# KiCad board AnalogFNN.kicad_pcb (continued)
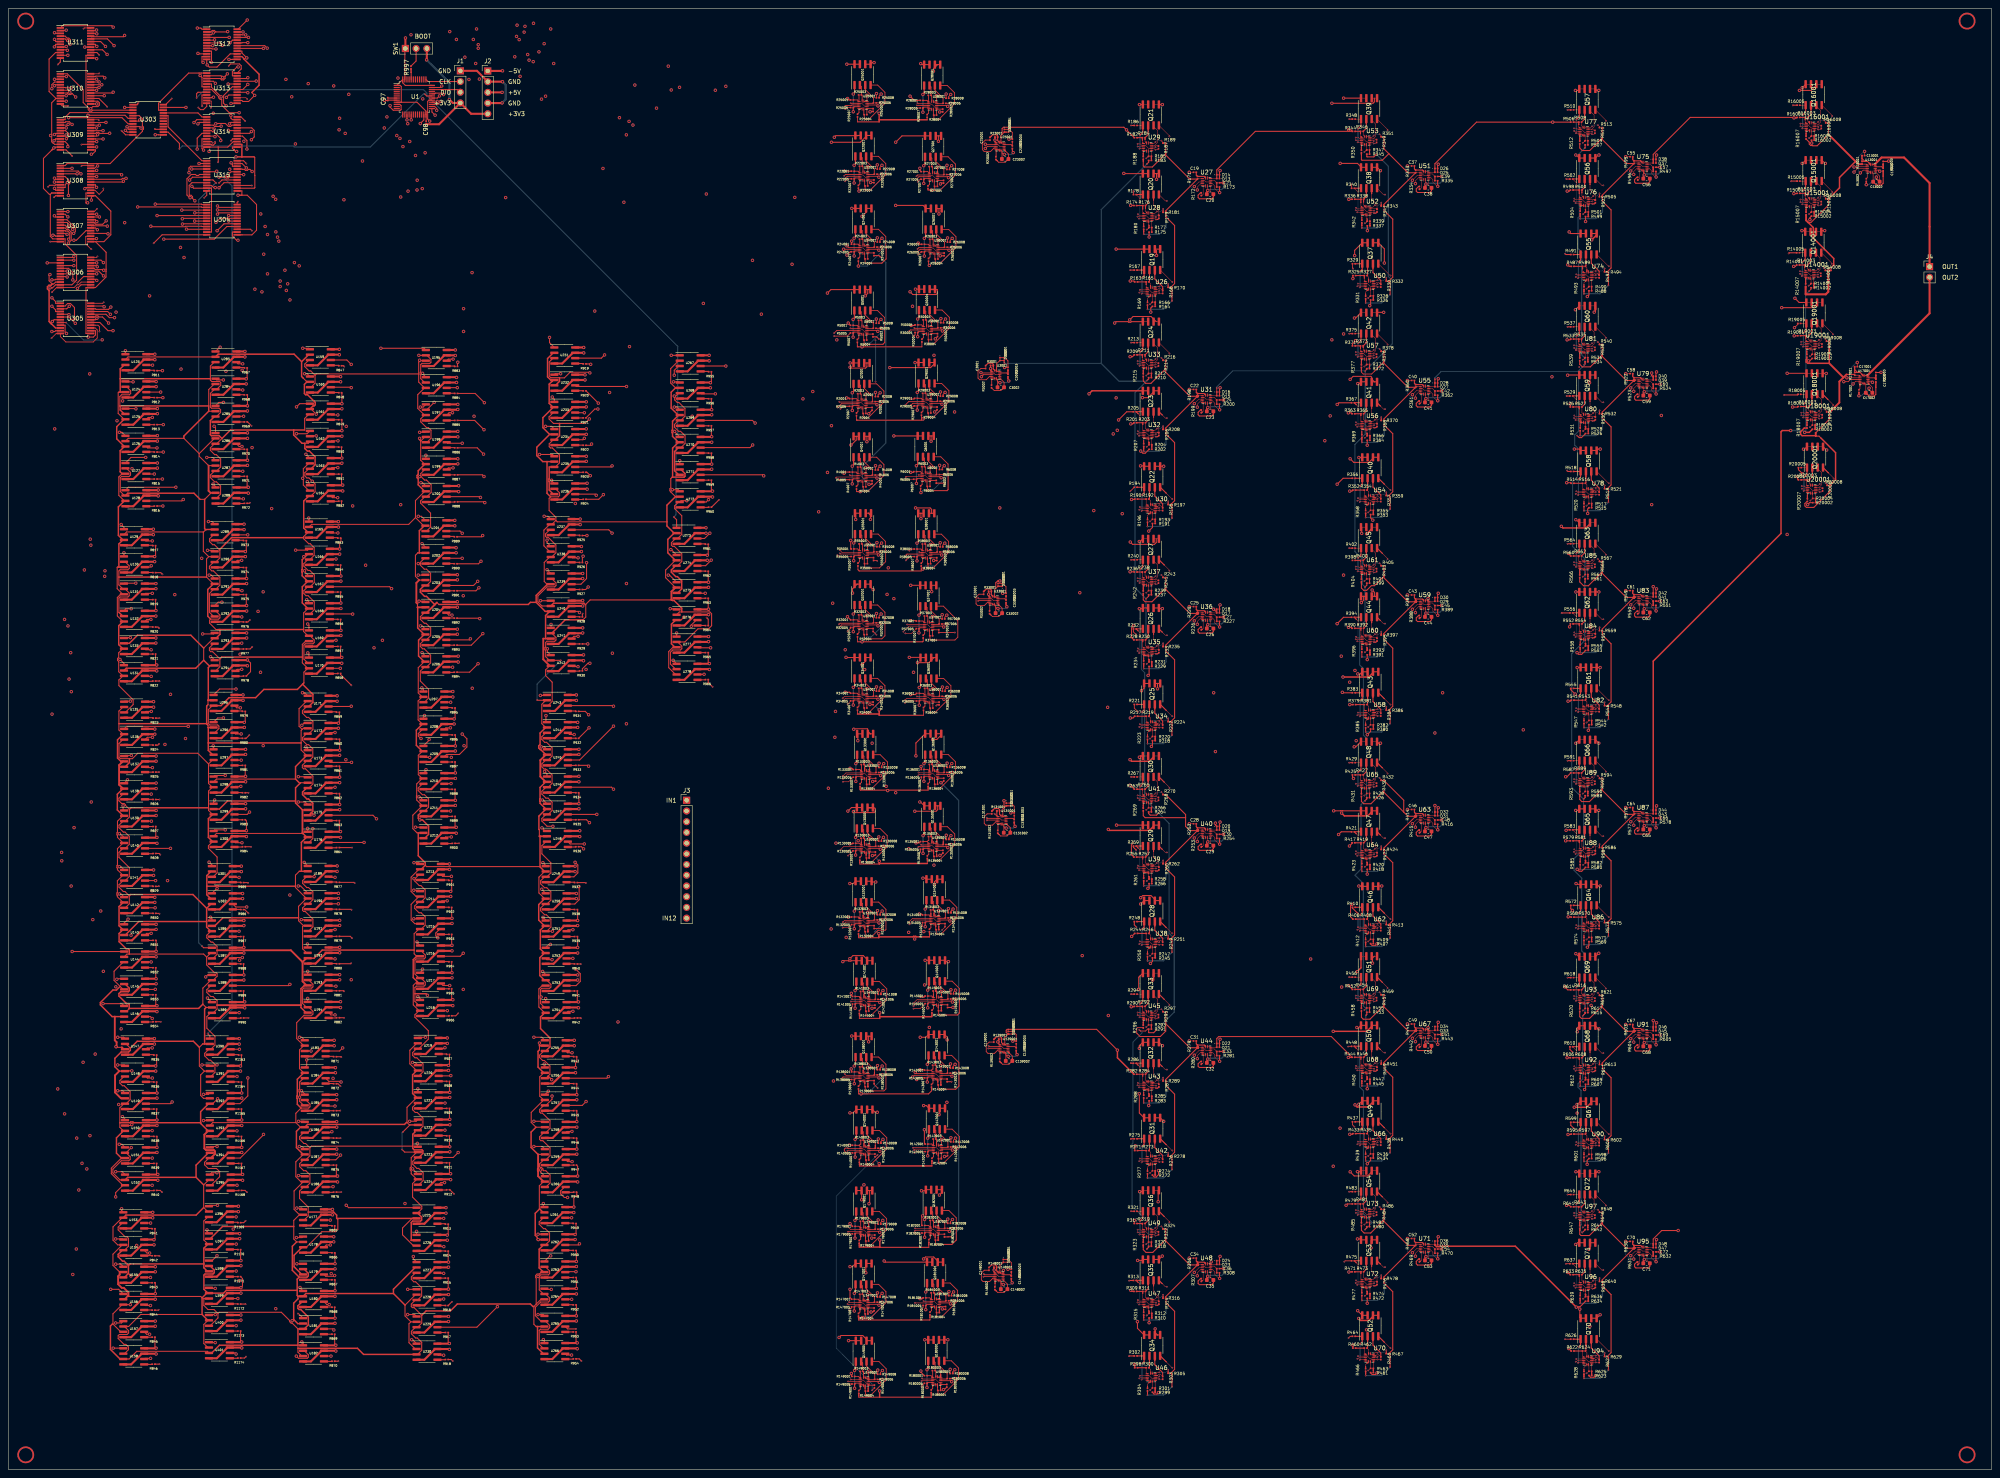
[diagram p0: board, top side]
## Nets (continued)
Net-(U48B--): R307.1 U48.5 U48.6
Net-(U48C--): C35.1 R307.2 U48.8
Net-(U48D-+): C36.2 R308.1 U48.11
Net-(U49A--): R317.2 R319.1 U49.1
Net-(U49B--): R323.1 U49.5 U49.6
Net-(U49C--): R318.2 R320.1 U49.8
Net-(U49D--): R324.1 U49.12 U49.13
Net-(U50A--): R325.2 R327.1 U50.1
Net-(U50B--): R331.1 U50.5 U50.6
Net-(U50C--): R326.2 R328.1 U50.8
Net-(U50D--): R332.1 U50.12 U50.13
Net-(U51B-+): C37.2 U51.4
Net-(U51B--): R334.1 U51.5 U51.6
Net-(U51C--): C38.1 R334.2 U51.8
Net-(U51D-+): C39.2 R335.1 U51.11
Net-(U52A--): R336.2 R338.1 U52.1
Net-(U52B--): R342.1 U52.5 U52.6
Net-(U52C--): R337.2 R339.1 U52.8
Net-(U52D--): R343.1 U52.12 U52.13
Net-(U53A--): R344.2 R346.1 U53.1
Net-(U53B--): R350.1 U53.5 U53.6
Net-(U53C--): R345.2 R347.1 U53.8
Net-(U53D--): R351.1 U53.12 U53.13
Net-(U54A--): R352.2 R354.1 U54.1
Net-(U54B--): R358.1 U54.5 U54.6
Net-(U54C--): R353.2 R355.1 U54.8
Net-(U54D--): R359.1 U54.12 U54.13
Net-(U55B-+): C40.2 U55.4
Net-(U55B--): R361.1 U55.5 U55.6
Net-(U55C--): C41.1 R361.2 U55.8
Net-(U55D-+): C42.2 R362.1 U55.11
Net-(U56A--): R363.2 R365.1 U56.1
Net-(U56B--): R369.1 U56.5 U56.6
Net-(U56C--): R364.2 R366.1 U56.8
Net-(U56D--): R370.1 U56.12 U56.13
Net-(U57A--): R371.2 R373.1 U57.1
Net-(U57B--): R377.1 U57.5 U57.6
Net-(U57C--): R372.2 R374.1 U57.8
Net-(U57D--): R378.1 U57.12 U57.13
Net-(U58A--): R379.2 R381.1 U58.1
Net-(U58B--): R385.1 U58.5 U58.6
Net-(U58C--): R380.2 R382.1 U58.8
Net-(U58D--): R386.1 U58.12 U58.13
Net-(U59B-+): C43.2 U59.4
Net-(U59B--): R388.1 U59.5 U59.6
Net-(U59C--): C44.1 R388.2 U59.8
Net-(U59D-+): C45.2 R389.1 U59.11
Net-(U60A--): R390.2 R392.1 U60.1
Net-(U60B--): R396.1 U60.5 U60.6
Net-(U60C--): R391.2 R393.1 U60.8
Net-(U60D--): R397.1 U60.12 U60.13
Net-(U61A--): R398.2 R400.1 U61.1
Net-(U61B--): R404.1 U61.5 U61.6
Net-(U61C--): R399.2 R401.1 U61.8
Net-(U61D--): R405.1 U61.12 U61.13
Net-(U62A--): R406.2 R408.1 U62.1
Net-(U62B--): R412.1 U62.5 U62.6
Net-(U62C--): R407.2 R409.1 U62.8
Net-(U62D--): R413.1 U62.12 U62.13
Net-(U63B-+): C46.2 U63.4
Net-(U63B--): R415.1 U63.5 U63.6
Net-(U63C--): C47.1 R415.2 U63.8
Net-(U63D-+): C48.2 R416.1 U63.11
Net-(U64A--): R417.2 R419.1 U64.1
Net-(U64B--): R423.1 U64.5 U64.6
Net-(U64C--): R418.2 R420.1 U64.8
Net-(U64D--): R424.1 U64.12 U64.13
Net-(U65A--): R425.2 R427.1 U65.1
Net-(U65B--): R431.1 U65.5 U65.6
Net-(U65C--): R426.2 R428.1 U65.8
Net-(U65D--): R432.1 U65.12 U65.13
Net-(U66A--): R433.2 R435.1 U66.1
Net-(U66B--): R439.1 U66.5 U66.6
Net-(U66C--): R434.2 R436.1 U66.8
Net-(U66D--): R440.1 U66.12 U66.13
Net-(U67B-+): C49.2 U67.4
Net-(U67B--): R442.1 U67.5 U67.6
Net-(U67C--): C50.1 R442.2 U67.8
Net-(U67D-+): C51.2 R443.1 U67.11
Net-(U68A--): R444.2 R446.1 U68.1
Net-(U68B--): R450.1 U68.5 U68.6
Net-(U68C--): R445.2 R447.1 U68.8
Net-(U68D--): R451.1 U68.12 U68.13
Net-(U69A--): R452.2 R454.1 U69.1
Net-(U69B--): R458.1 U69.5 U69.6
Net-(U69C--): R453.2 R455.1 U69.8
Net-(U69D--): R459.1 U69.12 U69.13
Net-(U70A--): R460.2 R462.1 U70.1
Net-(U70B--): R466.1 U70.5 U70.6
Net-(U70C--): R461.2 R463.1 U70.8
Net-(U70D--): R467.1 U70.12 U70.13
Net-(U71B-+): C52.2 U71.4
Net-(U71B--): R469.1 U71.5 U71.6
Net-(U71C--): C53.1 R469.2 U71.8
Net-(U71D-+): C54.2 R470.1 U71.11
Net-(U72A--): R471.2 R473.1 U72.1
Net-(U72B--): R477.1 U72.5 U72.6
Net-(U72C--): R472.2 R474.1 U72.8
Net-(U72D--): R478.1 U72.12 U72.13
Net-(U73A--): R479.2 R481.1 U73.1
Net-(U73B--): R485.1 U73.5 U73.6
Net-(U73C--): R480.2 R482.1 U73.8
Net-(U73D--): R486.1 U73.12 U73.13
Net-(U74A--): R487.2 R489.1 U74.1
Net-(U74B--): R493.1 U74.5 U74.6
Net-(U74C--): R488.2 R490.1 U74.8
Net-(U74D--): R494.1 U74.12 U74.13
Net-(U75B-+): C55.2 U75.4
Net-(U75B--): R496.1 U75.5 U75.6
Net-(U75C--): C56.1 R496.2 U75.8
Net-(U75D-+): C57.2 R497.1 U75.11
Net-(U76A--): R498.2 R500.1 U76.1
Net-(U76B--): R504.1 U76.5 U76.6
Net-(U76C--): R499.2 R501.1 U76.8
Net-(U76D--): R505.1 U76.12 U76.13
Net-(U77A--): R506.2 R508.1 U77.1
Net-(U77B--): R512.1 U77.5 U77.6
Net-(U77C--): R507.2 R509.1 U77.8
Net-(U77D--): R513.1 U77.12 U77.13
Net-(U78A--): R514.2 R516.1 U78.1
Net-(U78B--): R520.1 U78.5 U78.6
Net-(U78C--): R515.2 R517.1 U78.8
Net-(U78D--): R521.1 U78.12 U78.13
Net-(U79B-+): C58.2 U79.4
Net-(U79B--): R523.1 U79.5 U79.6
Net-(U79C--): C59.1 R523.2 U79.8
Net-(U79D-+): C60.2 R524.1 U79.11
Net-(U80A--): R525.2 R527.1 U80.1
Net-(U80B--): R531.1 U80.5 U80.6
Net-(U80C--): R526.2 R528.1 U80.8
Net-(U80D--): R532.1 U80.12 U80.13
Net-(U81A--): R533.2 R535.1 U81.1
Net-(U81B--): R539.1 U81.5 U81.6
Net-(U81C--): R534.2 R536.1 U81.8
Net-(U81D--): R540.1 U81.12 U81.13
Net-(U82A--): R541.2 R543.1 U82.1
Net-(U82B--): R547.1 U82.5 U82.6
Net-(U82C--): R542.2 R544.1 U82.8
Net-(U82D--): R548.1 U82.12 U82.13
Net-(U83B-+): C61.2 U83.4
Net-(U83B--): R550.1 U83.5 U83.6
Net-(U83C--): C62.1 R550.2 U83.8
Net-(U83D-+): C63.2 R551.1 U83.11
Net-(U84A--): R552.2 R554.1 U84.1
Net-(U84B--): R558.1 U84.5 U84.6
Net-(U84C--): R553.2 R555.1 U84.8
Net-(U84D--): R559.1 U84.12 U84.13
Net-(U85A--): R560.2 R562.1 U85.1
Net-(U85B--): R566.1 U85.5 U85.6
Net-(U85C--): R561.2 R563.1 U85.8
Net-(U85D--): R567.1 U85.12 U85.13
Net-(U86A--): R568.2 R570.1 U86.1
Net-(U86B--): R574.1 U86.5 U86.6
Net-(U86C--): R569.2 R571.1 U86.8
Net-(U86D--): R575.1 U86.12 U86.13
Net-(U87B-+): C64.2 U87.4
Net-(U87B--): R577.1 U87.5 U87.6
Net-(U87C--): C65.1 R577.2 U87.8
Net-(U87D-+): C66.2 R578.1 U87.11
Net-(U88A--): R579.2 R581.1 U88.1
Net-(U88B--): R585.1 U88.5 U88.6
Net-(U88C--): R580.2 R582.1 U88.8
Net-(U88D--): R586.1 U88.12 U88.13
Net-(U89A--): R587.2 R589.1 U89.1
Net-(U89B--): R593.1 U89.5 U89.6
Net-(U89C--): R588.2 R590.1 U89.8
Net-(U89D--): R594.1 U89.12 U89.13
Net-(U90A--): R595.2 R597.1 U90.1
Net-(U90B--): R601.1 U90.5 U90.6
Net-(U90C--): R596.2 R598.1 U90.8
Net-(U90D--): R602.1 U90.12 U90.13
Net-(U91B-+): C67.2 U91.4
Net-(U91B--): R604.1 U91.5 U91.6
Net-(U91C--): C68.1 R604.2 U91.8
Net-(U91D-+): C69.2 R605.1 U91.11
Net-(U92A--): R606.2 R608.1 U92.1
Net-(U92B--): R612.1 U92.5 U92.6
Net-(U92C--): R607.2 R609.1 U92.8
Net-(U92D--): R613.1 U92.12 U92.13
Net-(U93A--): R614.2 R616.1 U93.1
Net-(U93B--): R620.1 U93.5 U93.6
Net-(U93C--): R615.2 R617.1 U93.8
Net-(U93D--): R621.1 U93.12 U93.13
Net-(U94A--): R622.2 R624.1 U94.1
Net-(U94B--): R628.1 U94.5 U94.6
Net-(U94C--): R623.2 R625.1 U94.8
Net-(U94D--): R629.1 U94.12 U94.13
Net-(U95B-+): C70.2 U95.4
Net-(U95B--): R631.1 U95.5 U95.6
Net-(U95C--): C71.1 R631.2 U95.8
Net-(U95D-+): C72.2 R632.1 U95.11
Net-(U96A--): R633.2 R635.1 U96.1
Net-(U96B--): R639.1 U96.5 U96.6
Net-(U96C--): R634.2 R636.1 U96.8
Net-(U96D--): R640.1 U96.12 U96.13
Net-(U97A--): R641.2 R643.1 U97.1
Net-(U97B--): R647.1 U97.5 U97.6
Net-(U97C--): R642.2 R644.1 U97.8
Net-(U97D--): R648.1 U97.12 U97.13
Net-(U123-PA0): R811.2 U123.5
Net-(U124-PA0): R812.2 U124.5
Net-(U125-PA0): R813.2 U125.5
Net-(U126-PA0): R814.2 U126.5
Net-(U127-PA0): R815.2 U127.5
Net-(U128-PA0): R816.2 U128.5
Net-(U129-PA0): R817.2 U129.5
Net-(U130-PA0): R818.2 U130.5
Net-(U131-PA0): R819.2 U131.5
Net-(U132-PA0): R820.2 U132.5
Net-(U133-PA0): R821.2 U133.5
Net-(U134-PA0): R822.2 U134.5
Net-(U135-PA0): R823.2 U135.5
Net-(U136-PA0): R824.2 U136.5
Net-(U137-PA0): R825.2 U137.5
Net-(U138-PA0): R826.2 U138.5
Net-(U139-PA0): R827.2 U139.5
Net-(U140-PA0): R828.2 U140.5
Net-(U141-PA0): R829.2 U141.5
Net-(U142-PA0): R830.2 U142.5
Net-(U143-PA0): R831.2 U143.5
Net-(U144-PA0): R832.2 U144.5
Net-(U145-PA0): R833.2 U145.5
Net-(U146-PA0): R834.2 U146.5
Net-(U147-PA0): R835.2 U147.5
Net-(U148-PA0): R836.2 U148.5
Net-(U149-PA0): R837.2 U149.5
Net-(U150-PA0): R838.2 U150.5
Net-(U151-PA0): R839.2 U151.5
Net-(U152-PA0): R840.2 U152.5
Net-(U153-PA0): R841.2 U153.5
Net-(U154-PA0): R842.2 U154.5
Net-(U155-PA0): R843.2 U155.5
Net-(U156-PA0): R844.2 U156.5
Net-(U157-PA0): R845.2 U157.5
Net-(U158-PA0): R846.2 U158.5
Net-(U159-PA0): R847.2 U159.5
Net-(U160-PA0): R848.2 U160.5
Net-(U161-PA0): R849.2 U161.5
Net-(U162-PA0): R850.2 U162.5
Net-(U163-PA0): R851.2 U163.5
Net-(U164-PA0): R852.2 U164.5
Net-(U165-PA0): R853.2 U165.5
Net-(U166-PA0): R854.2 U166.5
Net-(U167-PA0): R855.2 U167.5
Net-(U168-PA0): R856.2 U168.5
Net-(U169-PA0): R857.2 U169.5
Net-(U170-PA0): R858.2 U170.5
Net-(U171-PA0): R859.2 U171.5
Net-(U172-PA0): R860.2 U172.5
Net-(U173-PA0): R861.2 U173.5
Net-(U174-PA0): R862.2 U174.5
Net-(U175-PA0): R863.2 U175.5
Net-(U176-PA0): R864.2 U176.5
Net-(U177-PA0): R865.2 U177.5
Net-(U178-PA0): R866.2 U178.5
Net-(U179-PA0): R867.2 U179.5
Net-(U180-PA0): R868.2 U180.5
Net-(U181-PA0): R869.2 U181.5
Net-(U182-PA0): R870.2 U182.5
Net-(U183-PA0): R871.2 U183.5
Net-(U184-PA0): R872.2 U184.5
Net-(U185-PA0): R873.2 U185.5
Net-(U186-PA0): R874.2 U186.5
Net-(U187-PA0): R875.2 U187.5
Net-(U188-PA0): R876.2 U188.5
Net-(U189-PA0): R877.2 U189.5
Net-(U190-PA0): R878.2 U190.5
Net-(U191-PA0): R879.2 U191.5
Net-(U192-PA0): R880.2 U192.5
Net-(U193-PA0): R881.2 U193.5
Net-(U194-PA0): R882.2 U194.5
Net-(U195-PA0): R883.2 U195.5
Net-(U196-PA0): R884.2 U196.5
Net-(U197-PA0): R885.2 U197.5
Net-(U198-PA0): R886.2 U198.5
Net-(U199-PA0): R887.2 U199.5
Net-(U200-PA0): R888.2 U200.5
Net-(U201-PA0): R889.2 U201.5
Net-(U202-PA0): R890.2 U202.5
Net-(U203-PA0): R891.2 U203.5
Net-(U204-PA0): R892.2 U204.5
Net-(U205-PA0): R893.2 U205.5
Net-(U206-PA0): R894.2 U206.5
Net-(U207-PA0): R895.2 U207.5
Net-(U208-PA0): R896.2 U208.5
Net-(U209-PA0): R897.2 U209.5
Net-(U210-PA0): R898.2 U210.5
Net-(U211-PA0): R899.2 U211.5
Net-(U212-PA0): R900.2 U212.5
Net-(U213-PA0): R901.2 U213.5
Net-(U214-PA0): R902.2 U214.5
Net-(U215-PA0): R903.2 U215.5
Net-(U216-PA0): R904.2 U216.5
Net-(U217-PA0): R905.2 U217.5
Net-(U218-PA0): R906.2 U218.5
Net-(U219-PA0): R907.2 U219.5
Net-(U220-PA0): R908.2 U220.5
Net-(U221-PA0): R909.2 U221.5
Net-(U222-PA0): R910.2 U222.5
Net-(U223-PA0): R911.2 U223.5
Net-(U224-PA0): R912.2 U224.5
Net-(U225-PA0): R913.2 U225.5
Net-(U226-PA0): R914.2 U226.5
Net-(U227-PA0): R915.2 U227.5
Net-(U228-PA0): R916.2 U228.5
Net-(U229-PA0): R917.2 U229.5
Net-(U230-PA0): R918.2 U230.5
Net-(U231-PA0): R919.2 U231.5
Net-(U232-PA0): R920.2 U232.5
Net-(U233-PA0): R921.2 U233.5
Net-(U234-PA0): R922.2 U234.5
Net-(U235-PA0): R923.2 U235.5
Net-(U236-PA0): R924.2 U236.5
Net-(U237-PA0): R925.2 U237.5
Net-(U238-PA0): R926.2 U238.5
Net-(U239-PA0): R927.2 U239.5
Net-(U240-PA0): R928.2 U240.5
Net-(U241-PA0): R929.2 U241.5
Net-(U242-PA0): R930.2 U242.5
Net-(U243-PA0): R931.2 U243.5
Net-(U244-PA0): R932.2 U244.5
Net-(U245-PA0): R933.2 U245.5
Net-(U246-PA0): R934.2 U246.5
Net-(U247-PA0): R935.2 U247.5
Net-(U248-PA0): R936.2 U248.5
Net-(U249-PA0): R937.2 U249.5
Net-(U250-PA0): R938.2 U250.5
Net-(U251-PA0): R939.2 U251.5
Net-(U252-PA0): R940.2 U252.5
Net-(U253-PA0): R941.2 U253.5
Net-(U254-PA0): R942.2 U254.5
Net-(U255-PA0): R943.2 U255.5
Net-(U256-PA0): R944.2 U256.5
Net-(U257-PA0): R945.2 U257.5
Net-(U258-PA0): R946.2 U258.5
Net-(U259-PA0): R947.2 U259.5
Net-(U260-PA0): R948.2 U260.5
Net-(U261-PA0): R949.2 U261.5
Net-(U262-PA0): R950.2 U262.5
Net-(U263-PA0): R951.2 U263.5
Net-(U264-PA0): R952.2 U264.5
Net-(U265-PA0): R953.2 U265.5
Net-(U266-PA0): R954.2 U266.5
Net-(U267-PA0): R955.2 U267.5
Net-(U268-PA0): R956.2 U268.5
Net-(U269-PA0): R957.2 U269.5
Net-(U270-PA0): R958.2 U270.5
Net-(U271-PA0): R959.2 U271.5
Net-(U272-PA0): R960.2 U272.5
Net-(U273-PA0): R961.2 U273.5
Net-(U274-PA0): R962.2 U274.5
Net-(U275-PA0): R963.2 U275.5
Net-(U276-PA0): R964.2 U276.5
Net-(U277-PA0): R965.2 U277.5
Net-(U278-PA0): R966.2 U278.5
Net-(U283-PA0): R967.2 U283.5
Net-(U284-PA0): R968.2 U284.5
Net-(U285-PA0): R969.2 U285.5
Net-(U286-PA0): R970.2 U286.5
Net-(U287-PA0): R971.2 U287.5
Net-(U288-PA0): R972.2 U288.5
Net-(U289-PA0): R973.2 U289.5
Net-(U290-PA0): R974.2 U290.5
Net-(U291-PA0): R975.2 U291.5
Net-(U292-PA0): R976.2 U292.5
Net-(U293-PA0): R977.2 U293.5
Net-(U294-PA0): R978.2 U294.5
Net-(U295-PA0): R979.2 U295.5
Net-(U296-PA0): R980.2 U296.5
Net-(U297-PA0): R981.2 U297.5
Net-(U298-PA0): R982.2 U298.5
Net-(U299-PA0): R983.2 U299.5
Net-(U300-PA0): R984.2 U300.5
Net-(U301-PA0): R985.2 U301.5
Net-(U302-PA0): R986.2 U302.5
Net-(U386-PA0): R987.2 U386.5
Net-(U387-PA0): R988.2 U387.5
Net-(U388-PA0): R989.2 U388.5
Net-(U389-PA0): R990.2 U389.5
Net-(U390-PA0): R1163.2 U390.5
Net-(U391-PA0): R1164.2 U391.5
Net-(U392-PA0): R1165.2 U392.5
Net-(U393-PA0): R1166.2 U393.5
Net-(U394-PA0): R1167.2 U394.5
Net-(U395-PA0): R1168.2 U395.5
Net-(U396-PA0): R1169.2 U396.5
Net-(U397-PA0): R1170.2 U397.5
Net-(U398-PA0): R1171.2 U398.5
Net-(U399-PA0): R1172.2 U399.5
Net-(U400-PA0): R1173.2 U400.5
Net-(U401-PA0): R1174.2 U401.5
Net-(U2001A--): R2001.2 R2003.1 U2001.1
Net-(U2001B--): R2007.1 U2001.5 U2001.6
Net-(U2001C--): R2002.2 R2004.1 U2001.8
Net-(U2001D--): R2008.1 U2001.12 U2001.13
Net-(U3001B-+): C3001.2 U3001.4
Net-(U3001B--): R3002.1 U3001.5 U3001.6
Net-(U3001C--): C3002.1 R3002.2 U3001.8
Net-(U3001D-+): C3003.2 R3003.1 U3001.11
Net-(U4001A--): R4001.2 R4003.1 U4001.1
Net-(U4001B--): R4007.1 U4001.5 U4001.6
Net-(U4001C--): R4002.2 R4004.1 U4001.8
Net-(U4001D--): R4008.1 U4001.12 U4001.13
Net-(U5001A--): R5001.2 R5003.1 U5001.1
Net-(U5001B--): R5007.1 U5001.5 U5001.6
Net-(U5001C--): R5002.2 R5004.1 U5001.8
Net-(U5001D--): R5008.1 U5001.12 U5001.13
Net-(U6001A--): R6001.2 R6003.1 U6001.1
Net-(U6001B--): R6007.1 U6001.5 U6001.6
Net-(U6001C--): R6002.2 R6004.1 U6001.8
Net-(U6001D--): R6008.1 U6001.12 U6001.13
Net-(U13001B-+): C13001.2 U13001.4
Net-(U13001B--): R13002.1 U13001.5 U13001.6
Net-(U13001C--): C13002.1 R13002.2 U13001.8
Net-(U13001D-+): C13003.2 R13003.1 U13001.11
Net-(U14001A--): R14001.2 R14003.1 U14001.1
Net-(U14001B--): R14007.1 U14001.5 U14001.6
Net-(U14001C--): R14002.2 R14004.1 U14001.8
Net-(U14001D--): R14008.1 U14001.12 U14001.13
Net-(U15001A--): R15001.2 R15003.1 U15001.1
Net-(U15001B--): R15007.1 U15001.5 U15001.6
Net-(U15001C--): R15002.2 R15004.1 U15001.8
Net-(U15001D--): R15008.1 U15001.12 U15001.13
Net-(U16001A--): R16001.2 R16003.1 U16001.1
Net-(U16001B--): R16007.1 U16001.5 U16001.6
Net-(U16001C--): R16002.2 R16004.1 U16001.8
Net-(U16001D--): R16008.1 U16001.12 U16001.13
Net-(U17001B-+): C17001.2 U17001.4
Net-(U17001B--): R17002.1 U17001.5 U17001.6
Net-(U17001C--): C17002.1 R17002.2 U17001.8
Net-(U17001D-+): C17003.2 R17003.1 U17001.11
Net-(U18001A--): R18001.2 R18003.1 U18001.1
Net-(U18001B--): R18007.1 U18001.5 U18001.6
Net-(U18001C--): R18002.2 R18004.1 U18001.8
Net-(U18001D--): R18008.1 U18001.12 U18001.13
Net-(U19001A--): R19001.2 R19003.1 U19001.1
Net-(U19001B--): R19007.1 U19001.5 U19001.6
Net-(U19001C--): R19002.2 R19004.1 U19001.8
Net-(U19001D--): R19008.1 U19001.12 U19001.13
Net-(U20001A--): R20001.2 R20003.1 U20001.1
Net-(U20001B--): R20007.1 U20001.5 U20001.6
Net-(U20001C--): R20002.2 R20004.1 U20001.8
Net-(U20001D--): R20008.1 U20001.12 U20001.13
Net-(U22001A--): R22001.2 R22003.1 U22001.1
Net-(U22001B--): R22007.1 U22001.5 U22001.6
Net-(U22001C--): R22002.2 R22004.1 U22001.8
Net-(U22001D--): R22008.1 U22001.12 U22001.13
Net-(U23001B-+): C23001.2 U23001.4
Net-(U23001B--): R23002.1 U23001.5 U23001.6
Net-(U23001C--): C23002.1 R23002.2 U23001.8
Net-(U23001D-+): C23003.2 R23003.1 U23001.11
Net-(U24001A--): R24001.2 R24003.1 U24001.1
Net-(U24001B--): R24007.1 U24001.5 U24001.6
Net-(U24001C--): R24002.2 R24004.1 U24001.8
Net-(U24001D--): R24008.1 U24001.12 U24001.13
Net-(U25001A--): R25001.2 R25003.1 U25001.1
Net-(U25001B--): R25007.1 U25001.5 U25001.6
Net-(U25001C--): R25002.2 R25004.1 U25001.8
Net-(U25001D--): R25008.1 U25001.12 U25001.13
Net-(U26001A--): R26001.2 R26003.1 U26001.1
Net-(U26001B--): R26007.1 U26001.5 U26001.6
Net-(U26001C--): R26002.2 R26004.1 U26001.8
Net-(U26001D--): R26008.1 U26001.12 U26001.13
Net-(U27001A--): R27001.2 R27003.1 U27001.1
Net-(U27001B--): R27007.1 U27001.5 U27001.6
Net-(U27001C--): R27002.2 R27004.1 U27001.8
Net-(U27001D--): R27008.1 U27001.12 U27001.13
Net-(U28001A--): R28001.2 R28003.1 U28001.1
Net-(U28001B--): R28007.1 U28001.5 U28001.6
Net-(U28001C--): R28002.2 R28004.1 U28001.8
Net-(U28001D--): R28008.1 U28001.12 U28001.13
Net-(U29001A--): R29001.2 R29003.1 U29001.1
Net-(U29001B--): R29007.1 U29001.5 U29001.6
Net-(U29001C--): R29002.2 R29004.1 U29001.8
Net-(U29001D--): R29008.1 U29001.12 U29001.13
Net-(U30001A--): R30001.2 R30003.1 U30001.1
Net-(U30001B--): R30007.1 U30001.5 U30001.6
Net-(U30001C--): R30002.2 R30004.1 U30001.8
Net-(U30001D--): R30008.1 U30001.12 U30001.13
Net-(U32001A--): R32001.2 R32003.1 U32001.1
Net-(U32001B--): R32007.1 U32001.5 U32001.6
Net-(U32001C--): R32002.2 R32004.1 U32001.8
Net-(U32001D--): R32008.1 U32001.12 U32001.13
Net-(U33001B-+): C33001.2 U33001.4
Net-(U33001B--): R33002.1 U33001.5 U33001.6
Net-(U33001C--): C33002.1 R33002.2 U33001.8
Net-(U33001D-+): C33003.2 R33003.1 U33001.11
Net-(U34001A--): R34001.2 R34003.1 U34001.1
Net-(U34001B--): R34007.1 U34001.5 U34001.6
Net-(U34001C--): R34002.2 R34004.1 U34001.8
Net-(U34001D--): R34008.1 U34001.12 U34001.13
Net-(U35001A--): R35001.2 R35003.1 U35001.1
Net-(U35001B--): R35007.1 U35001.5 U35001.6
Net-(U35001C--): R35002.2 R35004.1 U35001.8
Net-(U35001D--): R35008.1 U35001.12 U35001.13
Net-(U36001A--): R36001.2 R36003.1 U36001.1
Net-(U36001B--): R36007.1 U36001.5 U36001.6
Net-(U36001C--): R36002.2 R36004.1 U36001.8
Net-(U36001D--): R36008.1 U36001.12 U36001.13
Net-(U37001A--): R37001.2 R37003.1 U37001.1
Net-(U37001B--): R37007.1 U37001.5 U37001.6
Net-(U37001C--): R37002.2 R37004.1 U37001.8
Net-(U37001D--): R37008.1 U37001.12 U37001.13
Net-(U38001A--): R38001.2 R38003.1 U38001.1
Net-(U38001B--): R38007.1 U38001.5 U38001.6
Net-(U38001C--): R38002.2 R38004.1 U38001.8
Net-(U38001D--): R38008.1 U38001.12 U38001.13
Net-(U130001A--): R130001.2 R130003.1 U130001.1
Net-(U130001B--): R130007.1 U130001.5 U130001.6
Net-(U130001C--): R130002.2 R130004.1 U130001.8
Net-(U130001D--): R130008.1 U130001.12 U130001.13
Net-(U131001B-+): C131001.2 U131001.4
Net-(U131001B--): R131002.1 U131001.5 U131001.6
Net-(U131001C--): C131002.1 R131002.2 U131001.8
Net-(U131001D-+): C131003.2 R131003.1 U131001.11
Net-(U132001A--): R132001.2 R132003.1 U132001.1
Net-(U132001B--): R132007.1 U132001.5 U132001.6
Net-(U132001C--): R132002.2 R132004.1 U132001.8
Net-(U132001D--): R132008.1 U132001.12 U132001.13
Net-(U133001A--): R133001.2 R133003.1 U133001.1
Net-(U133001B--): R133007.1 U133001.5 U133001.6
Net-(U133001C--): R133002.2 R133004.1 U133001.8
Net-(U133001D--): R133008.1 U133001.12 U133001.13
Net-(U134001A--): R134001.2 R134003.1 U134001.1
Net-(U134001B--): R134007.1 U134001.5 U134001.6
Net-(U134001C--): R134002.2 R134004.1 U134001.8
Net-(U134001D--): R134008.1 U134001.12 U134001.13
Net-(U135001A--): R135001.2 R135003.1 U135001.1
Net-(U135001B--): R135007.1 U135001.5 U135001.6
Net-(U135001C--): R135002.2 R135004.1 U135001.8
Net-(U135001D--): R135008.1 U135001.12 U135001.13
Net-(U136001A--): R136001.2 R136003.1 U136001.1
Net-(U136001B--): R136007.1 U136001.5 U136001.6
Net-(U136001C--): R136002.2 R136004.1 U136001.8
Net-(U136001D--): R136008.1 U136001.12 U136001.13
Net-(U138001A--): R138001.2 R138003.1 U138001.1
Net-(U138001B--): R138007.1 U138001.5 U138001.6
Net-(U138001C--): R138002.2 R138004.1 U138001.8
Net-(U138001D--): R138008.1 U138001.12 U138001.13
Net-(U139001B-+): C139001.2 U139001.4
Net-(U139001B--): R139002.1 U139001.5 U139001.6
Net-(U139001C--): C139002.1 R139002.2 U139001.8
Net-(U139001D-+): C139003.2 R139003.1 U139001.11
Net-(U140001A--): R140001.2 R140003.1 U140001.1
Net-(U140001B--): R140007.1 U140001.5 U140001.6
Net-(U140001C--): R140002.2 R140004.1 U140001.8
Net-(U140001D--): R140008.1 U140001.12 U140001.13
Net-(U141001A--): R141001.2 R141003.1 U141001.1
Net-(U141001B--): R141007.1 U141001.5 U141001.6
Net-(U141001C--): R141002.2 R141004.1 U141001.8
Net-(U141001D--): R141008.1 U141001.12 U141001.13
Net-(U142001A--): R142001.2 R142003.1 U142001.1
Net-(U142001B--): R142007.1 U142001.5 U142001.6
Net-(U142001C--): R142002.2 R142004.1 U142001.8
Net-(U142001D--): R142008.1 U142001.12 U142001.13
Net-(U143001A--): R143001.2 R143003.1 U143001.1
Net-(U143001B--): R143007.1 U143001.5 U143001.6
Net-(U143001C--): R143002.2 R143004.1 U143001.8
Net-(U143001D--): R143008.1 U143001.12 U143001.13
Net-(U145001A--): R145001.2 R145003.1 U145001.1
Net-(U145001B--): R145007.1 U145001.5 U145001.6
Net-(U145001C--): R145002.2 R145004.1 U145001.8
Net-(U145001D--): R145008.1 U145001.12 U145001.13
Net-(U147001A--): R147001.2 R147003.1 U147001.1
Net-(U147001B--): R147007.1 U147001.5 U147001.6
Net-(U147001C--): R147002.2 R147004.1 U147001.8
Net-(U147001D--): R147008.1 U147001.12 U147001.13
Net-(U148001B-+): C148001.2 U148001.4
Net-(U148001B--): R148002.1 U148001.5 U148001.6
Net-(U148001C--): C148002.1 R148002.2 U148001.8
Net-(U148001D-+): C148003.2 R148003.1 U148001.11
Net-(U149001A--): R149001.2 R149003.1 U149001.1
Net-(U149001B--): R149007.1 U149001.5 U149001.6
Net-(U149001C--): R149002.2 R149004.1 U149001.8
Net-(U149001D--): R149008.1 U149001.12 U149001.13
Net-(U179001A--): R179001.2 R179003.1 U179001.1
Net-(U179001B--): R179007.1 U179001.5 U179001.6
Net-(U179001C--): R179002.2 R179004.1 U179001.8
Net-(U179001D--): R179008.1 U179001.12 U179001.13
Net-(U180001A--): R180001.2 R180003.1 U180001.1
Net-(U180001B--): R180007.1 U180001.5 U180001.6
Net-(U180001C--): R180002.2 R180004.1 U180001.8
Net-(U180001D--): R180008.1 U180001.12 U180001.13
Net-(U181001A--): R181001.2 R181003.1 U181001.1
Net-(U181001B--): R181007.1 U181001.5 U181001.6
Net-(U181001C--): R181002.2 R181004.1 U181001.8
Net-(U181001D--): R181008.1 U181001.12 U181001.13
Net-(U182001A--): R182001.2 R182003.1 U182001.1
Net-(U182001B--): R182007.1 U182001.5 U182001.6
Net-(U182001C--): R182002.2 R182004.1 U182001.8
Net-(U182001D--): R182008.1 U182001.12 U182001.13

Pads without a net: U1 2 3 4 5 6 11 12 13 14 18 19 20 21 22 33 38 39 40 41 42 43 45 46; U303 16 17 18 19

## Via types
v1: diameter 0.8, hole 0.4, Top to Bottom, 2185 vias
v2: diameter 0.4, hole 0.2, Top to Bottom, 992 vias
v3: diameter 4, hole 3.2, Top to Bottom, 4 vias

## Routing (per net, layer and track width the routed paths; a pad name or vN(x,y) marks a point on that pad's centre or on a via; arc(x,y) is an arc through that point)
+3V3: length 35
  Top w0.5: 99,319.04 102.06,319.04 J1.4 ; J1.4 109.67,321.51 J2.5 ; J1.4 105.32,324.08 v1(104.5,324.9) ; SW1.3 99.16,334.36 v1(99.1,334.3)
  Bottom w0.5: v1(104.5,324.9) 104.5,328.9 v1(99.1,334.3)
+5V: length 1292.8
  Top w0.1: U50.3 320.12,280.9 319.84,280.62 v2(319.7,280.62) ; v2(319.3,44.28) 319.33,44.25 320.76,44.25 ; v2(267.6,142.63) 267.63,142.6 269.06,142.6 ; v2(268,176.12) 268.14,176.12 268.42,176.4 U34.3 ; v1(384.49,256.5) 385.58,257.59 U79.3 ; v2(319.32,111.78) 319.39,111.72 320.66,111.72 ; U42.3 268.42,73.4 268.14,73.12 v2(268,73.12) ; 269.06,297.1 267.63,297.1 v2(267.6,297.13) ; 320.66,315.2 319.39,315.2 v2(319.32,315.26) ; v2(267.62,262.26) 267.69,262.2 268.96,262.2 ; v2(371.04,249.37) 371.07,249.34 372.5,249.34 ; U66.3 320.12,77.42 319.84,77.14 v2(319.7,77.14) ; v2(371.06,163.12) 371.13,163.06 372.4,163.06 ; U87.3 385.58,154.71 v1(384.49,153.62) ; v2(371.04,43.6) 371.07,43.57 372.5,43.57 ; v2(319.3,298.63) 319.33,298.6 320.76,298.6 ; 372.5,300.79 371.07,300.79 v2(371.04,300.82) ; 372.4,317.39 371.13,317.39 v2(371.06,317.45) ; v1(384.49,205.06) 385.58,206.15 U83.3 ; U67.3 333.84,103.37 v1(332.75,102.28) ; U44.3 282.14,99.35 v1(281.05,98.26) ; U70.3 320.12,26.55 319.84,26.27 v2(319.7,26.27) ; v1(332.75,254.89) 333.84,255.98 U55.3 ; v2(319.7,178.88) 319.84,178.88 320.12,179.16 U58.3 ; 269.06,245.6 267.63,245.6 v2(267.6,245.63) ; v2(267.6,39.63) 267.63,39.6 269.06,39.6 ; 269.06,194.1 267.63,194.1 v2(267.6,194.13) ; v2(424.71,300.57) 424.77,300.5 426.04,300.5 ; 268.96,313.7 267.69,313.7 v2(267.62,313.76) ; v1(281.05,252.76) 282.14,253.85 U31.3 ; 372.4,214.5 371.13,214.5 v2(371.06,214.56) ; U74.3 371.86,283.09 371.58,282.81 v2(371.44,282.81) ; 372.5,146.46 371.07,146.46 v2(371.04,146.49) ; 269.06,91.1 267.63,91.1 v2(267.6,91.13) ; U51.3 333.84,306.85 v1(332.75,305.76) ; v2(267.62,107.76) 267.69,107.7 268.96,107.7 ; U75.3 385.58,309.04 v1(384.49,307.95) ; v1(332.75,51.41) 333.84,52.5 U71.3 ; 372.4,111.61 371.13,111.61 v2(371.06,111.68) ; 320.66,162.59 319.39,162.59 v2(319.32,162.65) ; v2(424.71,318.57) 424.77,318.5 426.04,318.5 ; v2(319.32,264.39) 319.39,264.33 320.66,264.33 ; 268.96,159.2 267.69,159.2 v2(267.62,159.26) ; U95.3 385.58,51.82 v1(384.49,50.73) ; v2(425.02,232.61) 425.09,232.55 426.36,232.55 ; U30.3 268.42,227.9 268.14,227.62 v2(268,227.62) ; U91.3 385.58,103.26 v1(384.49,102.17) ; v1(332.75,204.02) 333.84,205.11 U59.3 ; v2(268,279.12) 268.14,279.12 268.42,279.4 U26.3 ; U86.3 371.86,128.76 371.58,128.48 v2(371.44,128.48) ; v2(371.44,77.03) 371.58,77.03 371.86,77.31 U90.3 ; U46.3 268.42,21.9 268.14,21.62 v2(268,21.62) ; U94.3 371.86,25.87 371.58,25.59 v2(371.44,25.59) ; v2(319.3,146.02) 319.33,145.99 320.76,145.99 ; v1(281.05,304.26) 282.14,305.35 U27.3 ; v2(268,124.62) 268.14,124.62 268.42,124.9 U38.3 ; U62.3 320.12,128.29 319.84,128.01 v2(319.7,128.01) ; U48.3 282.14,47.85 v1(281.05,46.76) ; v2(371.06,266.01) 371.13,265.94 372.4,265.94 ; v2(267.62,210.76) 267.69,210.7 268.96,210.7 ; v2(319.32,60.91) 319.39,60.85 320.66,60.85 ; v2(319.32,213.52) 319.39,213.46 320.66,213.46 ; U78.3 371.86,231.64 371.58,231.37 v2(371.44,231.37) ; 320.76,95.12 319.33,95.12 v2(319.3,95.15) ; 426.26,249.95 424.99,249.95 v2(424.92,250.01) ; U82.3 371.86,180.2 371.58,179.92 v2(371.44,179.92) ; U36.3 282.14,202.35 v1(281.05,201.26) ; 426.21,266.75 424.94,266.75 v2(424.87,266.81) ; v2(319.3,196.89) 319.33,196.86 320.76,196.86 ; 372.4,60.17 371.13,60.17 v2(371.06,60.23) ; 425.94,283.5 424.67,283.5 v2(424.61,283.57) ; 268.96,56.2 267.69,56.2 v2(267.62,56.26) ; U54.3 320.12,230.03 319.84,229.75 v2(319.7,229.75) ; v2(371.04,95.04) 371.07,95.01 372.5,95.01 ; 320.76,247.73 319.33,247.73 v2(319.3,247.76) ; U40.3 282.14,150.85 v1(281.05,149.76) ; v2(371.04,197.93) 371.07,197.9 372.5,197.9 ; U63.3 333.84,154.24 v1(332.75,153.15)
  Top w0.15: v2(196.1,235.2) 196.28,235.38 201.31,235.38 ; U179001.3 199.09,56.49 v2(199,56.4) ; U182001.3 214.89,56.69 v2(214.8,56.6) ; v2(197.7,129.1) 198.45,129.85 U132001.3 ; U34001.3 198.37,182.9 v2(197.74,182.26) ; U134001.3 214.57,130.32 v2(213.55,129.3) ; U309.24 21.28,320.12 v2(21.4,320) ; v2(198.87,39.23) 198.91,39.19 U147001.3 ; U35001.3 197.16,217.12 v2(197.02,217.26) ; U181001.3 214.87,39.52 v2(214.85,39.54) ; v2(199,20.9) 199.01,20.89 U149001.3 ; v2(197.79,163.8) 198.79,164.8 U133001.3 ; U141001.3 v2(199.66,111) ; v2(212.46,182.44) 212.9,182.88 217.21,182.88 ; v2(216.4,21) 216.47,21.07 U180001.3 ; U37001.3 213.43,200.03 v2(212.1,198.7) ; U136001.3 215.85,164.82 v2(215.62,164.6) ; v2(214.5,109.9) 215.7,111.1 U145001.3 ; v2(214.55,75.72) 214.82,76 U142001.3 ; v1(437.41,307.7) 438.26,308.55 440.54,308.55 ; U140001.3 198.96,75.7 v2(198.84,75.58) ; v2(198.9,146.5) 199.72,147.32 U130001.3 ; v2(212.68,235.4) 212.73,235.45 U6001.3
  Top w0.19: U138001.3 197.81,93.1 v2(197.37,92.66)
  Top w0.2: U29001.3 214.35,252.85 v2(213.9,252.4) ; v2(229.83,206) 229.92,206.1 U33001.3 ; v2(17.3,309.1) 17.43,309.23 U308.24 ; U38001.3 212.96,217.1 v2(212.6,216.74) ; U30001.3 213.75,270.25 v2(213.4,269.9) ; U25001.3 199.9,323.6 199.8,323.5 198.5,323.5 v2(198.3,323.3) ; v2(21.1,287.69) 20.87,287.46 U306.24 ; v2(215.3,306.1) 215.8,306.6 U27001.3 ; U311.24 17.99,341.89 v2(17.8,341.7) ; U22001.3 198.79,306.7 v2(198.25,306.15) ; U23001.3 232.01,313.8 231.53,313.31 v1(231.53,313.3) ; 233.04,259.65 230.98,259.65 230.98,259.54 v1(230.6,259.16) ; v2(232.24,99.85) 232.29,99.9 U139001.3 ; v2(231.86,153.94) 231.94,154.03 U131001.3 ; v2(22.57,276.8) 22.35,276.57 U305.24 ; v2(21.5,331.1) 21.4,331 U310.24 ; v2(195.7,269.5) 196.35,270.15 U5001.3 ; U24001.3 v1(197.93,289.4) ; U143001.3 214.7,93.5 v1(214.3,93.1) ; U307.24 20.35,298.35 v2(21,299) ; 233.83,45.8 231.16,45.8 v2(231.09,45.72) ; v2(196.5,251.84) 197.41,252.75 U2001.3 ; U28001.3 v2(215.3,323.5) ; U135001.3 215.75,147.72 v2(215.62,147.6) ; U17001.3 436.53,258.5 436.02,257.99 v1(434.98,257.99) ; U32001.3 197.45,200.3 v2(197,199.85) ; v2(215.5,288.8) 216.07,289.38 U26001.3
  Top w0.25: v1(112.43,198.23) 109.7,195.5 R893.1 ; v1(78.8,199) 78.72,199.08 R856.1 ; v1(55,95.7) 55.22,95.92 R1163.1 ; R987.1 55.72,123.88 v1(55.8,123.8) ; R824.1 35.4,171.8 v2(35.7,172.1) ; R967.1 56.57,258.87 v1(56.35,258.65) ; R871.1 78.8,97.9 v2(78.9,97.8) ; v1(105.92,158.71) 105.84,158.78 R898.1 ; R816.1 v1(36.6,228.5) ; R882.1 79.53,107.15 v2(79.53,107.15) ; R944.1 134.7,91.42 v1(134.7,88.9) ; v1(141,231.2) 139.9,230.1 R924.1 ; v2(56.8,139.14) 56.74,139.2 R985.1 ; v1(104,55.6) 104.22,55.82 R913.1 ; v1(104.6,89.45) 104.52,89.53 R908.1 ; R938.1 134.9,132.72 v1(134.9,130.2) ; v1(56,110.9) 55.72,111.18 R989.1 ; R892.1 111.6,201.9 v1(111.7,201.8) ; R837.1 35.12,82.98 v1(35.2,82.9) ; v1(79.03,239.87) 78.94,239.94 R850.1 ; R1170.1 55.02,49.63 v1(55.1,49.55) ; R817.1 34.87,216.72 v1(34.65,216.5) ; v2(79.6,261.58) 79.41,261.76 R847.1 ; R966.1 165.84,186.66 v2(166.88,185.62) ; v1(79,192.6) 78.72,192.88 R857.1 ; R919.1 137.9,262.2 v1(138,262.1) ; R981.1 56.12,164.48 v1(56.2,164.4) ; R826.1 v2(35.8,158.9) ; R939.1 134.9,126.32 v1(134.9,123.8) ; R875.1 77.72,69.88 v1(78,69.6) ; v1(134.4,95.3) 134.4,96.4 134.7,96.7 134.7,97.82 R943.1 ; R934.1 135.2,160.42 v1(135.2,157.9) ; v2(106.6,108.2) 106.02,107.62 R906.1 ; R988.1 55.72,117.38 v1(55.8,117.3) ; v2(56.2,58.99) 55.76,58.55 R1169.1 ; v1(166.68,238.44) 166.59,238.51 R958.1 ; R959.1 166.59,232.31 v1(166.88,232.03) ; R848.1 79.03,255.28 v1(79.03,252.76) ; v1(78.8,205.5) 78.72,205.58 R855.1 ; v1(55.9,177.2) 56.12,177.42 R979.1 ; R822.1 35.74,187 v2(35.8,186.94) ; v1(104.83,137.12) 105.05,137.34 R901.1 ; v1(104.5,29.9) 104.22,30.18 R917.1 ; R825.1 v2(35.7,165.4) ; R952.1 134.6,38.97 v1(134.6,36.45) ; R859.1 78.42,177.22 v1(78.2,177) ; R851.1 78.94,233.75 v1(79.22,233.47) ; v1(137.7,153.4) 137,154.1 R935.1 ; v1(78.7,151.3) 78.42,151.58 R863.1 ; v1(78.5,157.7) 78.5,160.22 R862.1 ; R876.1 v2(78.9,65.8) ; v1(104.6,83.05) 104.52,83.13 R909.1 ; R819.1 34.87,203.78 v1(34.95,203.7) ; v2(36,145.83) 35.73,146.1 R828.1 ; v2(81.29,185.97) 78.72,188.54 R858.1 ; v1(105.12,124.31) 105.05,124.4 R903.1 ; R868.1 77.32,35.98 v1(77.4,35.9) ; R964.1 165.84,201.66 v2(165.46,202.04) ; R843.1 34.8,44.22 v1(34.8,41.7) ; R1173.1 55.02,30.53 v1(55.3,30.25) ; R861.1 78.5,166.72 v1(78.5,164.2) ; R881.1 79.38,113.55 v2(79.53,113.4) ; v2(57.1,174.18) 56.32,173.4 R980.1 ; R821.1 34.87,191.08 v1(35.15,190.8) ; R867.1 77.4,44.92 v1(77.4,42.4) ; v1(112.6,240.8) 111.1,242.3 R886.1 ; R889.1 112.1,221.2 v1(112.4,221.5) ; R1171.1 55.46,45.31 55.46,43.51 v1(55.1,43.15) ; R936.1 135.8,147.7 v1(136.3,147.2) ; v1(112,215.4) 111.4,214.8 R890.1 ; v1(105.12,130.72) 105.05,130.79 R902.1 ; R1165.1 55.22,82.98 v1(55.3,82.9) ; v1(134.7,76) 134.7,78.52 R946.1 ; R1166.1 55.22,76.48 v1(55.3,76.4) ; v1(137.9,235.7) 137.1,236.5 R923.1 ; v2(54.4,300.7) 54.2,300.5 U304.24 ; v2(135.8,25.74) 135.29,26.25 R954.1 ; v1(112.7,235.5) 112.3,235.9 R887.1 ; R899.1 105.84,152.59 v1(106.12,152.31) ; R975.1 56.37,204.98 v1(56.45,204.9) ; R961.1 165.84,217.06 v1(165.62,216.84) ; v2(77.3,56.96) 77.32,56.98 R865.1 ; v1(35.2,89.3) 35.12,89.38 R836.1 ; v1(78.5,218.3) 78.5,219.8 78.8,220.1 78.8,220.82 R853.1 ; v2(78.9,228.42) 78.94,228.46 R852.1 ; R823.1 v2(35.8,178.2) ; v2(56.1,319.8) 55.12,320.77 U314.24 ; v1(134.7,82.5) 134.7,85.02 R945.1 ; v2(106.8,148.5) 106.8,148.5 R900.1 ; R931.1 136.7,179.8 v1(137.5,179) ; v2(56.9,131.9) 56,132.8 R986.1 ; R831.1 35,125.42 v1(35,122.9) ; R834.1 v2(36.1,106.2) ; v2(56.4,309.7) 55.72,310.38 U315.24 ; v1(55.5,70) 55.22,70.28 R1167.1 ; R971.1 56.57,233.23 v1(56.85,232.95) ; R846.1 v2(35.8,25) ; v1(106.5,262.6) 106.42,262.52 R883.1 ; R874.1 v2(78.7,78.6) ; R818.1 36.1,212.7 v2(36.51,212.29) ; v1(34.5,54.5) 34.72,54.72 R841.1 ; R978.1 57.38,189.21 57.38,191.28 v1(56.65,192) ; v2(78.65,85.15) 78.61,85.1 R873.1 ; R927.1 136.8,208.7 v1(137.4,209.3) ; R955.1 166.59,257.95 v1(166.38,257.74) ; R926.1 136.02,216.42 v1(136.2,216.6) ; v2(35.7,199.54) 35.44,199.8 R820.1 ; v2(35.6,37.9) 35.5,37.8 R844.1 ; R937.1 136.78,139.2 v2(136.86,139.12) ; v1(134.9,69.6) 134.9,71.92 R947.1 ; v2(56.3,26.79) 55.96,26.45 R1174.1 ; R910.1 104.52,76.63 v1(104.6,76.55) ; v1(137.5,166.8) 137.3,167 R933.1 ; R839.1 35.12,70.28 v1(35.4,70) ; R930.1 136.02,189.9 137.32,191.2 v1(137.8,191.2) ; v2(52.2,332.9) 52.64,333.34 54.74,333.34 55.17,332.92 55.17,332.14 U313.24 ; v2(35.65,138.35) 35.6,138.3 R829.1 ; 136.9,255.8 v1(139.8,252.9) ; v1(77.6,29.5) 77.32,29.78 R869.1 ; v2(82.05,139.08) 81.88,139.25 R877.1 ; R990.1 v2(56.9,107.1) ; v1(165.93,210.44) 165.84,210.51 R962.1 ; R896.1 105.92,174.12 v1(105.92,171.6) ; R895.1 105.84,178.22 v1(105.62,178) ; v2(36.4,65.78) 35.98,66.2 R840.1 ; v2(81.25,120.06) 81.13,119.95 R880.1 ; R832.1 34.92,116.48 v1(35,116.4) ; R866.1 77.4,51.32 v1(77.4,48.8) ; R894.1 109.3,189.1 v1(111.3,191.1) ; v1(139.7,251.5) 138.97,251.5 R921.1 ; v1(111.5,209.1) 110.8,208.4 R891.1 ; v1(135.1,110.9) 134.82,111.18 R941.1 ; R897.1 105.84,165.28 v1(105.92,165.21) ; R1172.1 56.15,39.25 v2(56.2,39.2) ; v2(105.6,65.38) 104.63,66.35 R912.1 ; v2(135.7,107) 135.6,107.1 R942.1 ; R914.1 104.22,49.28 v1(104.3,49.2) ; v1(56.4,151.5) 56.4,153.82 R983.1 ; R956.1 166.59,251.42 v1(166.68,251.33) ; v1(35.2,76.4) 35.2,78.92 R838.1 ; 37.23,323.68 v2(38.7,325.14) ; R842.1 35.7,50.7 v2(35.8,50.6) ; R928.1 136.02,202.91 v2(136.1,202.99) ; R884.1 110.6,255.2 v1(112.8,253) ; v1(35,28.8) 34.72,29.08 R845.1 ; R860.1 78.5,173.12 v1(78.5,170.6) ; 56.67,248.45 v2(57.61,247.51) ; R953.1 134.52,30.33 v1(134.8,30.05) ; v2(56.5,65.78) 56.08,66.2 R1168.1 ; R925.1 v1(137.1,221.5) ; R911.1 104.52,70.43 v1(104.8,70.15) ; R879.1 81,126.45 v2(81.45,126.01) ; R811.1 v1(36.5,260.6) ; R835.1 35.12,95.92 v1(34.9,95.7) ; R976.1 56.74,201 v2(57.22,201.48) ; v2(135.64,119.86) 135.6,119.9 R940.1 ; v1(35.2,149.9) 34.92,150.18 R827.1 ; R972.1 57.07,229.15 v2(57.22,229.3) ; v1(134.6,49.35) 134.6,51.87 R950.1 ; v2(57.8,195.13) 57.27,194.6 R977.1 ; R949.1 134.52,55.97 v1(134.3,55.75) ; R907.1 104.52,96.07 v1(104.3,95.85) ; v2(78.7,90.9) 78.1,91.5 R872.1 ; v1(165.93,204.03) 165.84,204.12 R963.1 ; 135.12,173.41 v1(137.6,175.89) ; 166.65,228.24 v2(168.38,229.97) ; v1(105.33,111.41) 105.05,111.69 R905.1 ; v1(112.7,246.6) 110.5,248.8 R885.1 ; R974.1 56.37,211.38 v1(56.45,211.3) ; R878.1 81.22,132.85 v2(81.32,132.76) ; v1(55.3,89.3) 55.22,89.38 R1164.1 ; R918.1 104.94,26.1 v2(105.3,25.74) ; 104.22,38.92 v2(105.1,39.8) ; v1(78.8,211.9) 78.72,211.98 R854.1 ; v1(112.9,229.3) 112.7,229.5 R888.1 ; R965.1 165.84,191.41 v1(166.12,191.13) ; v1(134.6,42.95) 134.6,45.47 R951.1 ; v1(35.2,110) 34.92,110.28 R833.1 ; 54.42,341.57 v1(56.6,343.76) ; v1(104.3,42.8) 104.22,42.88 R915.1 ; v1(56.65,252.25) 56.65,254.77 R968.1 ; v1(166.68,244.94) 166.59,245.01 R957.1 ; R970.1 56.57,239.43 v1(56.65,239.35) ; v1(105.12,117.81) 105.05,117.9 R904.1 ; R849.1 79.03,248.88 v1(79.03,246.37) ; R929.1 v1(137.3,195.8) ; R982.1 v2(56.9,160.5) ; R864.1 v2(81.43,147.5) ; v2(35.8,131.8) 35.7,131.9 R830.1 ; R815.1 v1(36.5,234.9) ; R814.1 v1(36.7,241.3) ; R973.1 56.37,217.92 v1(56.15,217.7) ; R870.1 v2(78.2,25.7) ; v1(138.2,243.2) 137.9,242.9 R922.1 ; R948.1 134.7,65.72 134.7,65.1 134,64.4 v1(134,62.25) ; R812.1 v1(36.6,254.2) ; R813.1 v1(36.7,247.8) ; R984.1 v2(57.5,147.7)